# Altium PCB ir-24v-shit5-7-v2.PcbDoc (part 3 of 5) (continued)
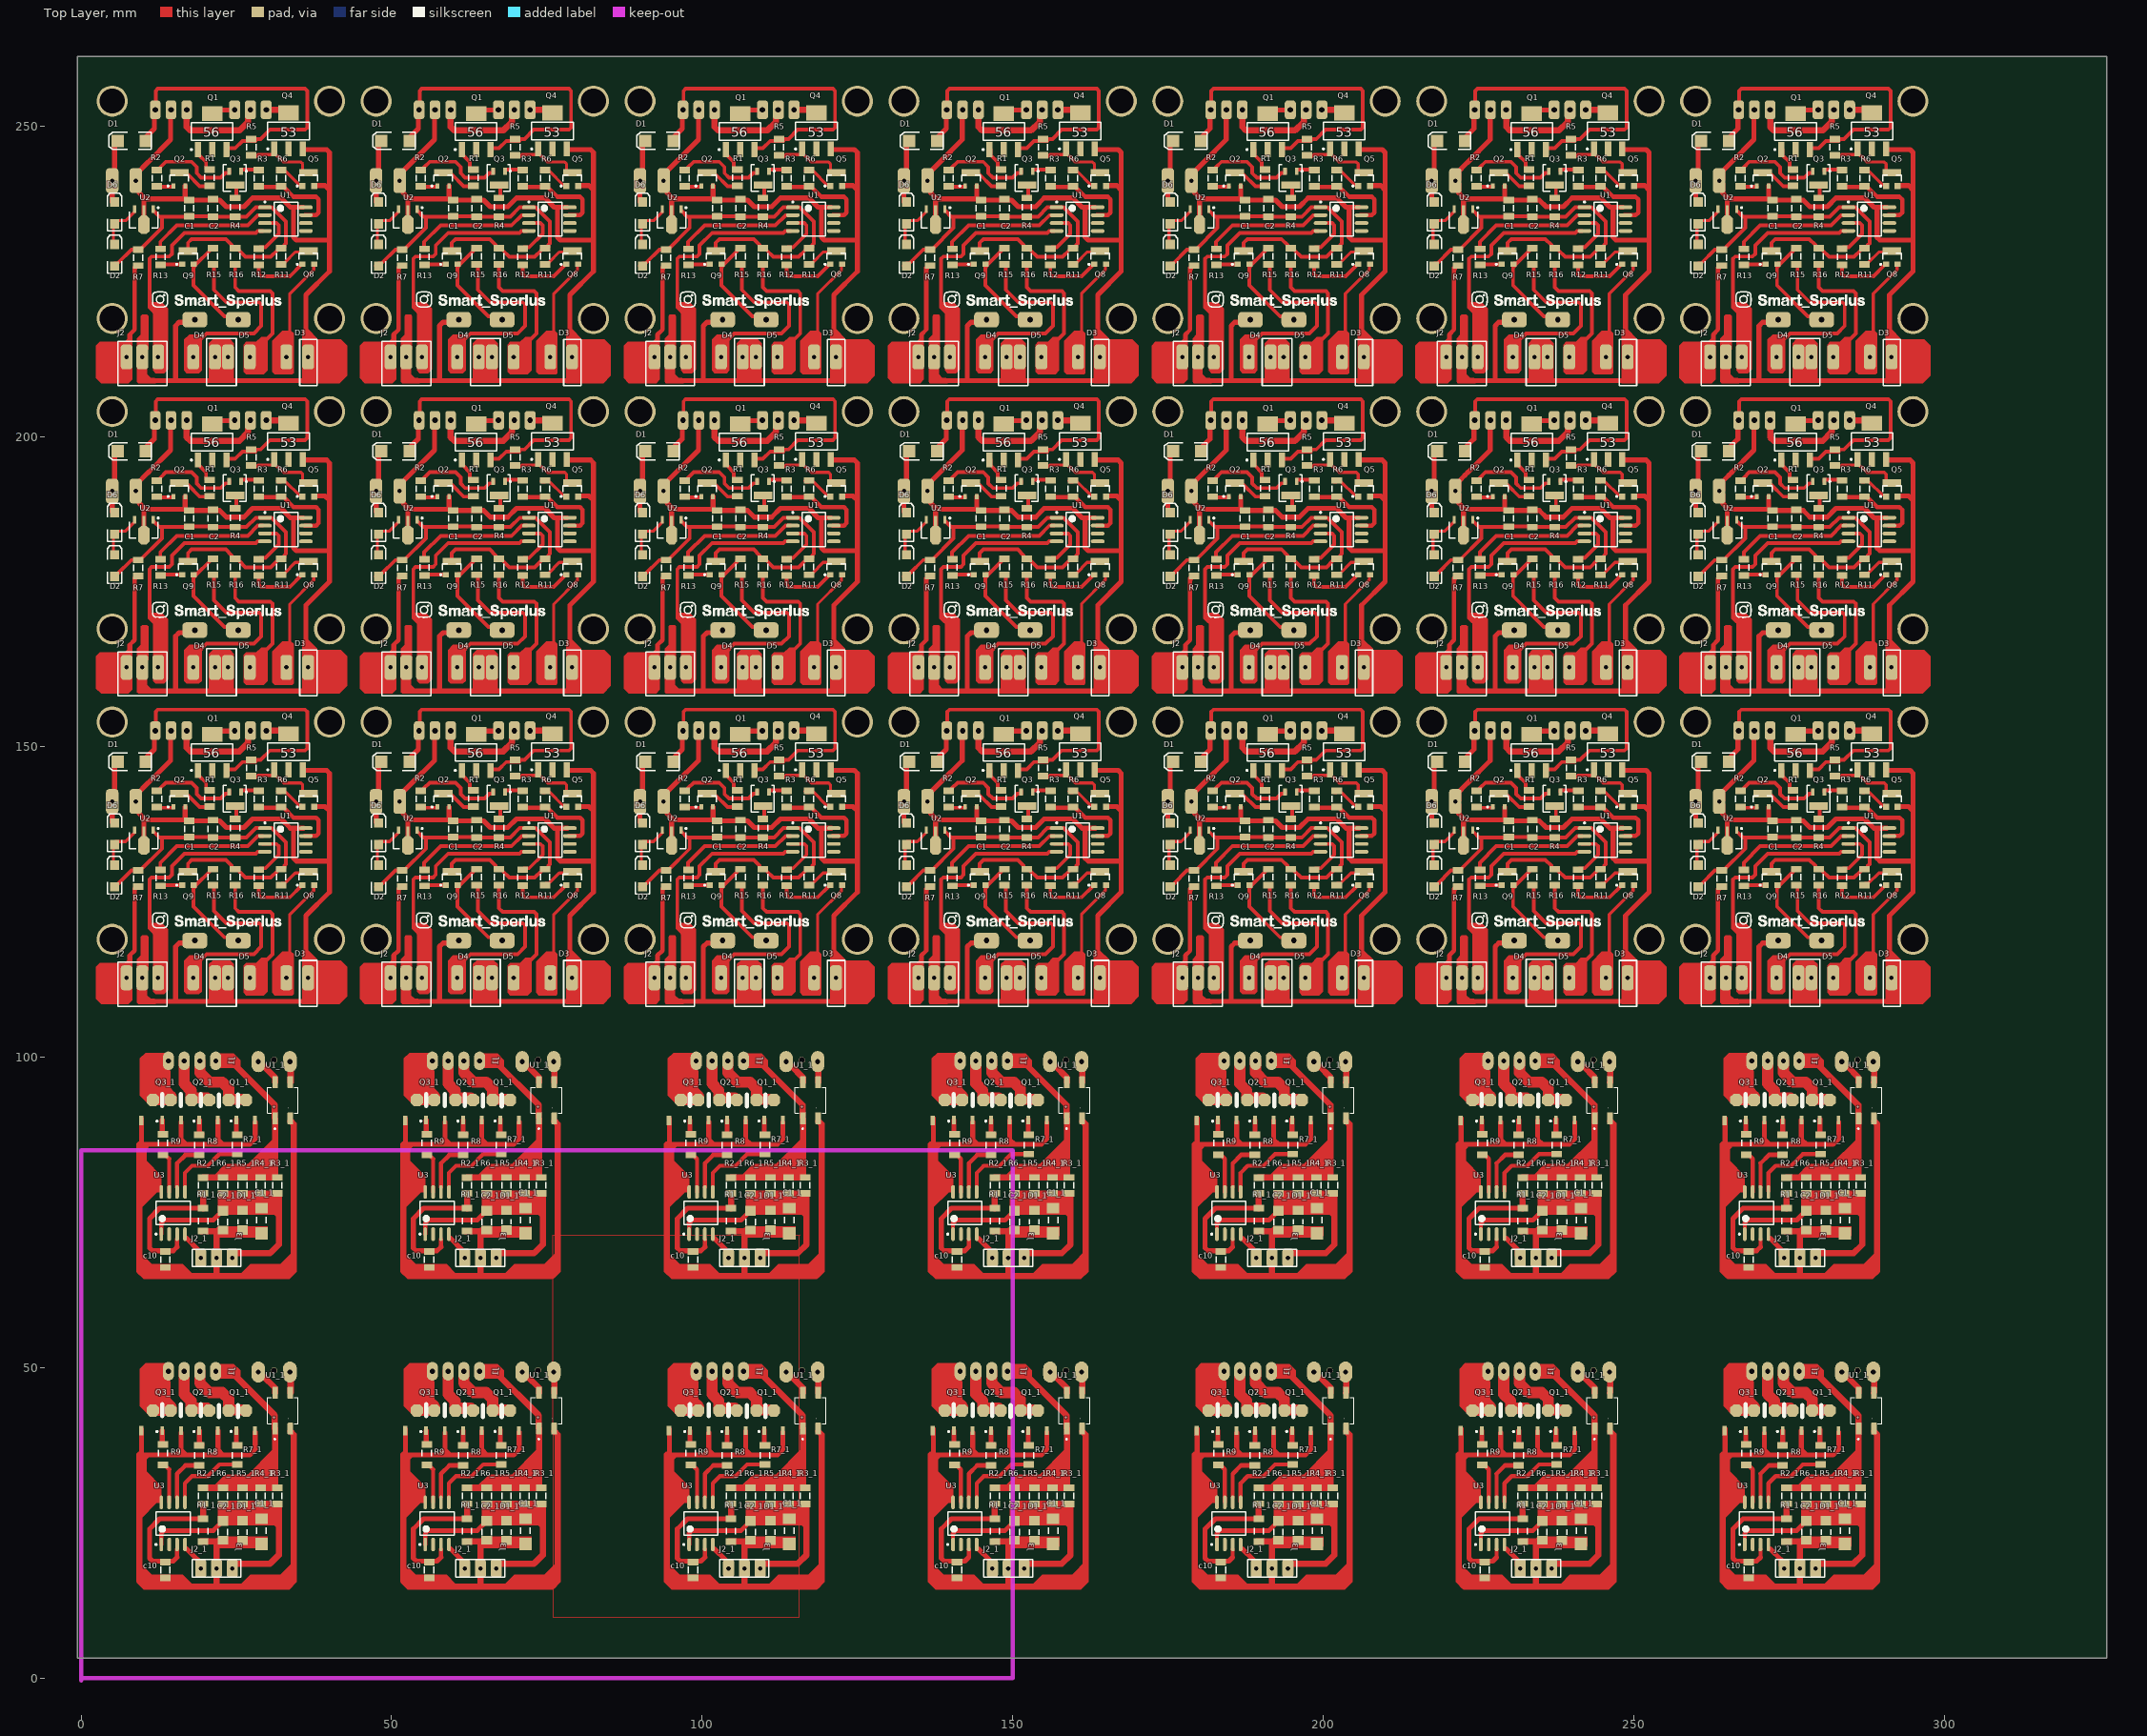
[diagram p0: Top Layer view]
## Nets (pads, with @x,y where several pads share a name; then routed paths per layer and width w, separated by ;. In a path a pad name is that pad's centre, name@x,y a point inside that pad or via, vN(x,y) a via of type N, cw(c..) or ccw(c..) an arc to the next point about the centre after c; other vN are vias at no path point) (continued)
155.9,133.095 156.7,133.095 ; 139.849,163.96 139.849,169.451 138.5,170.8 138.5,178.624 138.851,178.975 141.675,178.975 142.1,179.4 142.1,180.8 144.1,182.8 155.605,182.8 155.9,183.095 156.7,183.095 ; 139.849,213.96 139.849,219.451 138.5,220.8 138.5,228.624 138.851,228.975 141.675,228.975 142.1,229.4 142.1,230.8 144.1,232.8 155.605,232.8 155.9,233.095 156.7,233.095 ; 140.08,130.15 140.25,130.32 140.25,131.35 142.9,134 154.3,134 155.935,135.635 156.7,135.635 ; 140.08,180.15 140.25,180.32 140.25,181.35 142.9,184 154.3,184 155.935,185.635 156.7,185.635 ; 140.08,230.15 140.25,230.32 140.25,231.35 142.9,234 154.3,234 155.935,235.635 156.7,235.635 ; 140.1,142.97 140.25,143.12 140.25,143.35 141.138,144.238 145.262,144.238 146.1,143.4 146.1,142.4 146.824,141.676 149.976,141.676 150.75,142.45 151.35,142.45 151.35,142.888 ; 140.1,192.97 140.25,193.12 140.25,193.35 141.138,194.238 145.262,194.238 146.1,193.4 146.1,192.4 146.824,191.676 149.976,191.676 150.75,192.45 151.35,192.45 151.35,192.888 ; 140.1,242.97 140.25,243.12 140.25,243.35 141.138,244.238 145.262,244.238 146.1,243.4 146.1,242.4 146.824,241.676 149.976,241.676 150.75,242.45 151.35,242.45 151.35,242.888 ; 140.135,127.725 143.75,127.725 ; 140.135,177.725 143.75,177.725 ; 140.135,227.725 143.75,227.725 ; 142.9,142.475 143.2,142.175 144.725,142.175 146.595,140.305 147.3,140.305 ; 142.9,192.475 143.2,192.175 144.725,192.175 146.595,190.305 147.3,190.305 ; 142.9,242.475 143.2,242.175 144.725,242.175 146.595,240.305 147.3,240.305 ; 144.7,129.875 144.7,131.2 145.3,131.8 150.801,131.8 151.75,130.851 151.75,130.526 151.975,130.301 152.3,130.301 152.625,130.301 152.85,130.076 152.85,130.05 153.976,128.924 158.024,128.924 159.15,130.05 159.15,130.076 159.375,130.301 159.7,130.301 160.025,130.301 160.25,130.526 160.25,130.851 160.5,131.101 160.5,134.6 158.195,136.905 157.1,136.905 155.605,136.905 154.1,135.4 152.3,135.4 148.7,135.4 148.626,135.474 144.9,135.474 ; 144.7,179.875 144.7,181.2 145.3,181.8 150.801,181.8 151.75,180.851 151.75,180.526 151.975,180.301 152.3,180.301 152.625,180.301 152.85,180.076 152.85,180.05 153.976,178.924 158.024,178.924 159.15,180.05 159.15,180.076 159.375,180.301 159.7,180.301 160.025,180.301 160.25,180.526 160.25,180.851 160.5,181.101 160.5,184.6 158.195,186.905 157.1,186.905 155.605,186.905 154.1,185.4 152.3,185.4 148.7,185.4 148.626,185.474 144.9,185.474 ; 144.7,229.875 144.7,231.2 145.3,231.8 150.801,231.8 151.75,230.851 151.75,230.526 151.975,230.301 152.3,230.301 152.625,230.301 152.85,230.076 152.85,230.05 153.976,228.924 158.024,228.924 159.15,230.05 159.15,230.076 159.375,230.301 159.7,230.301 160.025,230.301 160.25,230.526 160.25,230.851 160.5,231.101 160.5,234.6 158.195,236.905 157.1,236.905 155.605,236.905 154.1,235.4 152.3,235.4 148.7,235.4 148.626,235.474 144.9,235.474 ; 144.9,135.4 140.5,135.4 ; 144.9,185.4 140.5,185.4 ; 144.9,235.4 140.5,235.4 ; 145.55,112.6 146.127,113.177 146.127,115.027 147.7,116.6 155.3,116.6 156.5,117.8 156.5,121.249 156.149,121.6 150.9,121.6 148.9,123.6 148.9,127.808 ; 145.55,162.6 146.127,163.177 146.127,165.027 147.7,166.6 155.3,166.6 156.5,167.8 156.5,171.249 156.149,171.6 150.9,171.6 148.9,173.6 148.9,177.808 ; 145.55,212.6 146.127,213.177 146.127,215.027 147.7,216.6 155.3,216.6 156.5,217.8 156.5,221.249 156.149,221.6 150.9,221.6 148.9,223.6 148.9,227.808 ; 145.65,127.725 145.775,127.85 146.15,127.85 148.15,129.85 148.15,130.076 148.375,130.301 148.7,130.301 ; 145.65,177.725 145.775,177.85 146.15,177.85 148.15,179.85 148.15,180.076 148.375,180.301 148.7,180.301 ; 145.65,227.725 145.775,227.85 146.15,227.85 148.15,229.85 148.15,230.076 148.375,230.301 148.7,230.301 ; 145.925,127.525 145.598,127.199 145.598,124.302 150.572,119.328 151.872,119.328 152.8,118.4 ; 145.925,177.525 145.598,177.199 145.598,174.302 150.572,169.328 151.872,169.328 152.8,168.4 ; 145.925,227.525 145.598,227.199 145.598,224.302 150.572,219.328 151.872,219.328 152.8,218.4 ; 146.5,146.237 146.5,145.3 147.618,144.182 147.618,143.107 147.9,142.825 ; 146.5,196.237 146.5,195.3 147.618,194.182 147.618,193.107 147.9,192.825 ; 146.5,246.237 146.5,245.3 147.618,244.182 147.618,243.107 147.9,242.825 ; 150.9,146.4 152.3,146.4 153.463,147.563 155.563,147.563 ; 150.9,196.4 152.3,196.4 153.463,197.563 155.563,197.563 ; 150.9,246.4 152.3,246.4 153.463,247.563 155.563,247.563 ; 152.3,127.705 152.3,124 152.9,123.4 157.949,123.4 158.3,123.049 158.3,116.6 155.947,114.247 154.664,114.247 154.217,113.8 ; 152.3,138.4 152.5,138.6 152.5,140.275 152.3,140.475 ; 152.3,177.705 152.3,174 152.9,173.4 157.949,173.4 158.3,173.049 158.3,166.6 155.947,164.247 154.664,164.247 154.217,163.8 ; 152.3,188.4 152.5,188.6 152.5,190.275 152.3,190.475 ; 152.3,227.705 152.3,224 152.9,223.4 157.949,223.4 158.3,223.049 158.3,216.6 155.947,214.247 154.664,214.247 154.217,213.8 ; 152.3,238.4 152.5,238.6 152.5,240.275 152.3,240.475 ; 153.25,142.725 153.25,143 155.874,143 ; 153.25,192.725 153.25,193 155.874,193 ; 153.25,242.725 153.25,243 155.874,243 ; 156.087,127.624 156.087,126.124 156.439,125.772 161.122,125.772 162.95,127.6 162.95,127.725 ; 156.087,130.22 156.312,130.445 157.145,130.445 159.3,132.6 159.3,134.014 158.949,134.365 156.7,134.365 ; 156.087,177.624 156.087,176.124 156.439,175.772 161.122,175.772 162.95,177.6 162.95,177.725 ; 156.087,180.22 156.312,180.445 157.145,180.445 159.3,182.6 159.3,184.014 158.949,184.365 156.7,184.365 ; 156.087,227.624 156.087,226.124 156.439,225.772 161.122,225.772 162.95,227.6 162.95,227.725 ; 156.087,230.22 156.312,230.445 157.145,230.445 159.3,232.6 159.3,234.014 158.949,234.365 156.7,234.365 ; 175,127.45 175.45,127.9 175.9,127.9 178.101,130.101 179.2,130.101 179.501,130.101 183,133.6 183,135.4 ; 175,177.45 175.45,177.9 175.9,177.9 178.101,180.101 179.2,180.101 179.501,180.101 183,183.6 183,185.4 ; 175,227.45 175.45,227.9 175.9,227.9 178.101,230.101 179.2,230.101 179.501,230.101 183,233.6 183,235.4 ; 181.717,136.283 182.6,135.4 183,135.4 ; 181.717,186.283 182.6,185.4 183,185.4 ; 181.717,236.283 182.6,235.4 183,235.4 ; 182,140.299 182.099,140.2 184.85,140.2 ; 182,152.585 182,155.649 182.351,156 206.049,156 206.4,155.649 206.4,149.751 206.049,149.4 200.4,149.4 198.901,147.901 197.4,147.901 ; 182,190.299 182.099,190.2 184.85,190.2 ; 182,202.585 182,205.649 182.351,206 206.049,206 206.4,205.649 206.4,199.751 206.049,199.4 200.4,199.4 198.901,197.901 197.4,197.901 ; 182,240.299 182.099,240.2 184.85,240.2 ; 182,252.585 182,255.649 182.351,256 206.049,256 206.4,255.649 206.4,249.751 206.049,249.4 200.4,249.4 198.901,247.901 197.4,247.901 ; 182.349,113.96 182.349,119.451 181,120.8 181,128.624 181.351,128.975 184.175,128.975 184.6,129.4 184.6,130.8 186.6,132.8 198.105,132.8 198.4,133.095 199.2,133.095 ; 182.349,163.96 182.349,169.451 181,170.8 181,178.624 181.351,178.975 184.175,178.975 184.6,179.4 184.6,180.8 186.6,182.8 198.105,182.8 198.4,183.095 199.2,183.095 ; 182.349,213.96 182.349,219.451 181,220.8 181,228.624 181.351,228.975 184.175,228.975 184.6,229.4 184.6,230.8 186.6,232.8 198.105,232.8 198.4,233.095 199.2,233.095 ; 182.58,130.15 182.75,130.32 182.75,131.35 185.4,134 196.8,134 198.435,135.635 199.2,135.635 ; 182.58,180.15 182.75,180.32 182.75,181.35 185.4,184 196.8,184 198.435,185.635 199.2,185.635 ; 182.58,230.15 182.75,230.32 182.75,231.35 185.4,234 196.8,234 198.435,235.635 199.2,235.635 ; 182.6,142.97 182.75,143.12 182.75,143.35 183.638,144.238 187.762,144.238 188.6,143.4 188.6,142.4 189.324,141.676 192.476,141.676 193.25,142.45 193.85,142.45 193.85,142.888 ; 182.6,192.97 182.75,193.12 182.75,193.35 183.638,194.238 187.762,194.238 188.6,193.4 188.6,192.4 189.324,191.676 192.476,191.676 193.25,192.45 193.85,192.45 193.85,192.888 ; 182.6,242.97 182.75,243.12 182.75,243.35 183.638,244.238 187.762,244.238 188.6,243.4 188.6,242.4 189.324,241.676 192.476,241.676 193.25,242.45 193.85,242.45 193.85,242.888 ; 182.635,127.725 186.25,127.725 ; 182.635,177.725 186.25,177.725 ; 182.635,227.725 186.25,227.725 ; 185.4,142.475 185.7,142.175 187.225,142.175 189.095,140.305 189.8,140.305 ; 185.4,192.475 185.7,192.175 187.225,192.175 189.095,190.305 189.8,190.305 ; 185.4,242.475 185.7,242.175 187.225,242.175 189.095,240.305 189.8,240.305 ; 187.2,129.875 187.2,131.2 187.8,131.8 193.301,131.8 194.25,130.851 194.25,130.526 194.475,130.301 194.8,130.301 195.125,130.301 195.35,130.076 195.35,130.05 196.476,128.924 200.524,128.924 201.65,130.05 201.65,130.076 201.875,130.301 202.2,130.301 202.525,130.301 202.75,130.526 202.75,130.851 203,131.101 203,134.6 200.695,136.905 199.6,136.905 198.105,136.905 196.6,135.4 194.8,135.4 191.2,135.4 191.126,135.474 187.4,135.474 ; 187.2,179.875 187.2,181.2 187.8,181.8 193.301,181.8 194.25,180.851 194.25,180.526 194.475,180.301 194.8,180.301 195.125,180.301 195.35,180.076 195.35,180.05 196.476,178.924 200.524,178.924 201.65,180.05 201.65,180.076 201.875,180.301 202.2,180.301 202.525,180.301 202.75,180.526 202.75,180.851 203,181.101 203,184.6 200.695,186.905 199.6,186.905 198.105,186.905 196.6,185.4 194.8,185.4 191.2,185.4 191.126,185.474 187.4,185.474 ; 187.2,229.875 187.2,231.2 187.8,231.8 193.301,231.8 194.25,230.851 194.25,230.526 194.475,230.301 194.8,230.301 195.125,230.301 195.35,230.076 195.35,230.05 196.476,228.924 200.524,228.924 201.65,230.05 201.65,230.076 201.875,230.301 202.2,230.301 202.525,230.301 202.75,230.526 202.75,230.851 203,231.101 203,234.6 200.695,236.905 199.6,236.905 198.105,236.905 196.6,235.4 194.8,235.4 191.2,235.4 191.126,235.474 187.4,235.474 ; 187.4,135.4 183,135.4 ; 187.4,185.4 183,185.4 ; 187.4,235.4 183,235.4 ; 188.05,112.6 188.627,113.177 188.627,115.027 190.2,116.6 197.8,116.6 199,117.8 199,121.249 198.649,121.6 193.4,121.6 191.4,123.6 191.4,127.808 ; 188.05,162.6 188.627,163.177 188.627,165.027 190.2,166.6 197.8,166.6 199,167.8 199,171.249 198.649,171.6 193.4,171.6 191.4,173.6 191.4,177.808 ; 188.05,212.6 188.627,213.177 188.627,215.027 190.2,216.6 197.8,216.6 199,217.8 199,221.249 198.649,221.6 193.4,221.6 191.4,223.6 191.4,227.808 ; 188.15,127.725 188.275,127.85 188.65,127.85 190.65,129.85 190.65,130.076 190.875,130.301 191.2,130.301 ; 188.15,177.725 188.275,177.85 188.65,177.85 190.65,179.85 190.65,180.076 190.875,180.301 191.2,180.301 ; 188.15,227.725 188.275,227.85 188.65,227.85 190.65,229.85 190.65,230.076 190.875,230.301 191.2,230.301 ; 188.425,127.525 188.098,127.199 188.098,124.302 193.072,119.328 194.372,119.328 195.3,118.4 ; 188.425,177.525 188.098,177.199 188.098,174.302 193.072,169.328 194.372,169.328 195.3,168.4 ; 188.425,227.525 188.098,227.199 188.098,224.302 193.072,219.328 194.372,219.328 195.3,218.4 ; 189,146.237 189,145.3 190.118,144.182 190.118,143.107 190.4,142.825 ; 189,196.237 189,195.3 190.118,194.182 190.118,193.107 190.4,192.825 ; 189,246.237 189,245.3 190.118,244.182 190.118,243.107 190.4,242.825 ; 193.4,146.4 194.8,146.4 195.963,147.563 198.062,147.563 ; 193.4,196.4 194.8,196.4 195.963,197.563 198.062,197.563 ; 193.4,246.4 194.8,246.4 195.963,247.563 198.062,247.563 ; 194.8,127.705 194.8,124 195.4,123.4 200.449,123.4 200.8,123.049 200.8,116.6 198.447,114.247 197.164,114.247 196.717,113.8 ; 194.8,138.4 195,138.6 195,140.275 194.8,140.475 ; 194.8,177.705 194.8,174 195.4,173.4 200.449,173.4 200.8,173.049 200.8,166.6 198.447,164.247 197.164,164.247 196.717,163.8 ; 194.8,188.4 195,188.6 195,190.275 194.8,190.475 ; 194.8,227.705 194.8,224 195.4,223.4 200.449,223.4 200.8,223.049 200.8,216.6 198.447,214.247 197.164,214.247 196.717,213.8 ; 194.8,238.4 195,238.6 195,240.275 194.8,240.475 ; 195.75,142.725 195.75,143 198.374,143 ; 195.75,192.725 195.75,193 198.374,193 ; 195.75,242.725 195.75,243 198.374,243 ; 198.587,127.624 198.587,126.124 198.939,125.772 203.622,125.772 205.45,127.6 205.45,127.725 ; 198.587,130.22 198.812,130.445 199.645,130.445 201.8,132.6 201.8,134.014 201.449,134.365 199.2,134.365 ; 198.587,177.624 198.587,176.124 198.939,175.772 203.622,175.772 205.45,177.6 205.45,177.725 ; 198.587,180.22 198.812,180.445 199.645,180.445 201.8,182.6 201.8,184.014 201.449,184.365 199.2,184.365 ; 198.587,227.624 198.587,226.124 198.939,225.772 203.622,225.772 205.45,227.6 205.45,227.725 ; 198.587,230.22 198.812,230.445 199.645,230.445 201.8,232.6 201.8,234.014 201.449,234.365 199.2,234.365 ; 217.5,127.45 217.95,127.9 218.4,127.9 220.601,130.101 221.7,130.101 222.001,130.101 225.5,133.6 225.5,135.4 ; 217.5,177.45 217.95,177.9 218.4,177.9 220.601,180.101 221.7,180.101 222.001,180.101 225.5,183.6 225.5,185.4 ; 217.5,227.45 217.95,227.9 218.4,227.9 220.601,230.101 221.7,230.101 222.001,230.101 225.5,233.6 225.5,235.4 ; 224.217,136.283 225.1,135.4 225.5,135.4 ; 224.217,186.283 225.1,185.4 225.5,185.4 ; 224.217,236.283 225.1,235.4 225.5,235.4 ; 224.5,140.299 224.599,140.2 227.35,140.2 ; 224.5,152.585 224.5,155.649 224.851,156 248.549,156 248.9,155.649 248.9,149.751 248.549,149.4 242.9,149.4 241.401,147.901 239.9,147.901 ; 224.5,190.299 224.599,190.2 227.35,190.2 ; 224.5,202.585 224.5,205.649 224.851,206 248.549,206 248.9,205.649 248.9,199.751 248.549,199.4 242.9,199.4 241.401,197.901 239.9,197.901 ; 224.5,240.299 224.599,240.2 227.35,240.2 ; 224.5,252.585 224.5,255.649 224.851,256 248.549,256 248.9,255.649 248.9,249.751 248.549,249.4 242.9,249.4 241.401,247.901 239.9,247.901 ; 224.849,113.96 224.849,119.451 223.5,120.8 223.5,128.624 223.851,128.975 226.675,128.975 227.1,129.4 227.1,130.8 229.1,132.8 240.605,132.8 240.9,133.095 241.7,133.095 ; 224.849,163.96 224.849,169.451 223.5,170.8 223.5,178.624 223.851,178.975 226.675,178.975 227.1,179.4 227.1,180.8 229.1,182.8 240.605,182.8 240.9,183.095 241.7,183.095 ; 224.849,213.96 224.849,219.451 223.5,220.8 223.5,228.624 223.851,228.975 226.675,228.975 227.1,229.4 227.1,230.8 229.1,232.8 240.605,232.8 240.9,233.095 241.7,233.095 ; 225.08,130.15 225.25,130.32 225.25,131.35 227.9,134 239.3,134 240.935,135.635 241.7,135.635 ; 225.08,180.15 225.25,180.32 225.25,181.35 227.9,184 239.3,184 240.935,185.635 241.7,185.635 ; 225.08,230.15 225.25,230.32 225.25,231.35 227.9,234 239.3,234 240.935,235.635 241.7,235.635 ; 225.1,142.97 225.25,143.12 225.25,143.35 226.138,144.238 230.262,144.238 231.1,143.4 231.1,142.4 231.824,141.676 234.976,141.676 235.75,142.45 236.35,142.45 236.35,142.888 ; 225.1,192.97 225.25,193.12 225.25,193.35 226.138,194.238 230.262,194.238 231.1,193.4 231.1,192.4 231.824,191.676 234.976,191.676 235.75,192.45 236.35,192.45 236.35,192.888 ; 225.1,242.97 225.25,243.12 225.25,243.35 226.138,244.238 230.262,244.238 231.1,243.4 231.1,242.4 231.824,241.676 234.976,241.676 235.75,242.45 236.35,242.45 236.35,242.888 ; 225.135,127.725 228.75,127.725 ; 225.135,177.725 228.75,177.725 ; 225.135,227.725 228.75,227.725 ; 227.9,142.475 228.2,142.175 229.725,142.175 231.595,140.305 232.3,140.305 ; 227.9,192.475 228.2,192.175 229.725,192.175 231.595,190.305 232.3,190.305 ; 227.9,242.475 228.2,242.175 229.725,242.175 231.595,240.305 232.3,240.305 ; 229.7,129.875 229.7,131.2 230.3,131.8 235.801,131.8 236.75,130.851 236.75,130.526 236.975,130.301 237.3,130.301 237.625,130.301 237.85,130.076 237.85,130.05 238.976,128.924 243.024,128.924 244.15,130.05 244.15,130.076 244.375,130.301 244.7,130.301 245.025,130.301 245.25,130.526 245.25,130.851 245.5,131.101 245.5,134.6 243.195,136.905 242.1,136.905 240.605,136.905 239.1,135.4 237.3,135.4 233.7,135.4 233.626,135.474 229.9,135.474 ; 229.7,179.875 229.7,181.2 230.3,181.8 235.801,181.8 236.75,180.851 236.75,180.526 236.975,180.301 237.3,180.301 237.625,180.301 237.85,180.076 237.85,180.05 238.976,178.924 243.024,178.924 244.15,180.05 244.15,180.076 244.375,180.301 244.7,180.301 245.025,180.301 245.25,180.526 245.25,180.851 245.5,181.101 245.5,184.6 243.195,186.905 242.1,186.905 240.605,186.905 239.1,185.4 237.3,185.4 233.7,185.4 233.626,185.474 229.9,185.474 ; 229.7,229.875 229.7,231.2 230.3,231.8 235.801,231.8 236.75,230.851 236.75,230.526 236.975,230.301 237.3,230.301 237.625,230.301 237.85,230.076 237.85,230.05 238.976,228.924 243.024,228.924 244.15,230.05 244.15,230.076 244.375,230.301 244.7,230.301 245.025,230.301 245.25,230.526 245.25,230.851 245.5,231.101 245.5,234.6 243.195,236.905 242.1,236.905 240.605,236.905 239.1,235.4 237.3,235.4 233.7,235.4 233.626,235.474 229.9,235.474 ; 229.9,135.4 225.5,135.4 ; 229.9,185.4 225.5,185.4 ; 229.9,235.4 225.5,235.4 ; 230.55,112.6 231.127,113.177 231.127,115.027 232.7,116.6 240.3,116.6 241.5,117.8 241.5,121.249 241.149,121.6 235.9,121.6 233.9,123.6 233.9,127.808 ; 230.55,162.6 231.127,163.177 231.127,165.027 232.7,166.6 240.3,166.6 241.5,167.8 241.5,171.249 241.149,171.6 235.9,171.6 233.9,173.6 233.9,177.808 ; 230.55,212.6 231.127,213.177 231.127,215.027 232.7,216.6 240.3,216.6 241.5,217.8 241.5,221.249 241.149,221.6 235.9,221.6 233.9,223.6 233.9,227.808 ; 230.65,127.725 230.775,127.85 231.15,127.85 233.15,129.85 233.15,130.076 233.375,130.301 233.7,130.301 ; 230.65,177.725 230.775,177.85 231.15,177.85 233.15,179.85 233.15,180.076 233.375,180.301 233.7,180.301 ; 230.65,227.725 230.775,227.85 231.15,227.85 233.15,229.85 233.15,230.076 233.375,230.301 233.7,230.301 ; 230.925,127.525 230.598,127.199 230.598,124.302 235.572,119.328 236.872,119.328 237.8,118.4 ; 230.925,177.525 230.598,177.199 230.598,174.302 235.572,169.328 236.872,169.328 237.8,168.4 ; 230.925,227.525 230.598,227.199 230.598,224.302 235.572,219.328 236.872,219.328 237.8,218.4 ; 231.5,146.237 231.5,145.3 232.618,144.182 232.618,143.107 232.9,142.825 ; 231.5,196.237 231.5,195.3 232.618,194.182 232.618,193.107 232.9,192.825 ; 231.5,246.237 231.5,245.3 232.618,244.182 232.618,243.107 232.9,242.825 ; 235.9,146.4 237.3,146.4 238.463,147.563 240.562,147.563 ; 235.9,196.4 237.3,196.4 238.463,197.563 240.562,197.563 ; 235.9,246.4 237.3,246.4 238.463,247.563 240.562,247.563 ; 237.3,127.705 237.3,124 237.9,123.4 242.949,123.4 243.3,123.049 243.3,116.6 240.947,114.247 239.664,114.247 239.217,113.8 ; 237.3,138.4 237.5,138.6 237.5,140.275 237.3,140.475 ; 237.3,177.705 237.3,174 237.9,173.4 242.949,173.4 243.3,173.049 243.3,166.6 240.947,164.247 239.664,164.247 239.217,163.8 ; 237.3,188.4 237.5,188.6 237.5,190.275 237.3,190.475 ; 237.3,227.705 237.3,224 237.9,223.4 242.949,223.4 243.3,223.049 243.3,216.6 240.947,214.247 239.664,214.247 239.217,213.8 ; 237.3,238.4 237.5,238.6 237.5,240.275 237.3,240.475 ; 238.25,142.725 238.25,143 240.874,143 ; 238.25,192.725 238.25,193 240.874,193 ; 238.25,242.725 238.25,243 240.874,243 ; 241.087,127.624 241.087,126.124 241.439,125.772 246.122,125.772 247.95,127.6 247.95,127.725 ; 241.087,130.22 241.312,130.445 242.145,130.445 244.3,132.6 244.3,134.014 243.949,134.365 241.7,134.365 ; 241.087,177.624 241.087,176.124 241.439,175.772 246.122,175.772 247.95,177.6 247.95,177.725 ; 241.087,180.22 241.312,180.445 242.145,180.445 244.3,182.6 244.3,184.014 243.949,184.365 241.7,184.365 ; 241.087,227.624 241.087,226.124 241.439,225.772 246.122,225.772 247.95,227.6 247.95,227.725 ; 241.087,230.22 241.312,230.445 242.145,230.445 244.3,232.6 244.3,234.014 243.949,234.365 241.7,234.365 ; 260,127.45 260.45,127.9 260.9,127.9 263.101,130.101 264.2,130.101 264.501,130.101 268,133.6 268,135.4 ; 260,177.45 260.45,177.9 260.9,177.9 263.101,180.101 264.2,180.101 264.501,180.101 268,183.6 268,185.4 ; 260,227.45 260.45,227.9 260.9,227.9 263.101,230.101 264.2,230.101 264.501,230.101 268,233.6 268,235.4 ; 266.717,136.283 267.6,135.4 268,135.4 ; 266.717,186.283 267.6,185.4 268,185.4 ; 266.717,236.283 267.6,235.4 268,235.4 ; 267,140.299 267.099,140.2 269.85,140.2 ; 267,152.585 267,155.649 267.351,156 291.049,156 291.4,155.649 291.4,149.751 291.049,149.4 285.4,149.4 283.901,147.901 282.4,147.901 ; 267,190.299 267.099,190.2 269.85,190.2 ; 267,202.585 267,205.649 267.351,206 291.049,206 291.4,205.649 291.4,199.751 291.049,199.4 285.4,199.4 283.901,197.901 282.4,197.901 ; 267,240.299 267.099,240.2 269.85,240.2 ; 267,252.585 267,255.649 267.351,256 291.049,256 291.4,255.649 291.4,249.751 291.049,249.4 285.4,249.4 283.901,247.901 282.4,247.901 ; 267.349,113.96 267.349,119.451 266,120.8 266,128.624 266.351,128.975 269.175,128.975 269.6,129.4 269.6,130.8 271.6,132.8 283.105,132.8 283.4,133.095 284.2,133.095 ; 267.349,163.96 267.349,169.451 266,170.8 266,178.624 266.351,178.975 269.175,178.975 269.6,179.4 269.6,180.8 271.6,182.8 283.105,182.8 283.4,183.095 284.2,183.095 ; 267.349,213.96 267.349,219.451 266,220.8 266,228.624 266.351,228.975 269.175,228.975 269.6,229.4 269.6,230.8 271.6,232.8 283.105,232.8 283.4,233.095 284.2,233.095 ; 267.58,130.15 267.75,130.32 267.75,131.35 270.4,134 281.8,134 283.435,135.635 284.2,135.635 ; 267.58,180.15 267.75,180.32 267.75,181.35 270.4,184 281.8,184 283.435,185.635 284.2,185.635 ; 267.58,230.15 267.75,230.32 267.75,231.35 270.4,234 281.8,234 283.435,235.635 284.2,235.635 ; 267.6,142.97 267.75,143.12 267.75,143.35 268.638,144.238 272.762,144.238 273.6,143.4 273.6,142.4 274.324,141.676 277.476,141.676 278.25,142.45 278.85,142.45 278.85,142.888 ; 267.6,192.97 267.75,193.12 267.75,193.35 268.638,194.238 272.762,194.238 273.6,193.4 273.6,192.4 274.324,191.676 277.476,191.676 278.25,192.45 278.85,192.45 278.85,192.888 ; 267.6,242.97 267.75,243.12 267.75,243.35 268.638,244.238 272.762,244.238 273.6,243.4 273.6,242.4 274.324,241.676 277.476,241.676 278.25,242.45 278.85,242.45 278.85,242.888 ; 267.635,127.725 271.25,127.725 ; 267.635,177.725 271.25,177.725 ; 267.635,227.725 271.25,227.725 ; 270.4,142.475 270.7,142.175 272.225,142.175 274.095,140.305 274.8,140.305 ; 270.4,192.475 270.7,192.175 272.225,192.175 274.095,190.305 274.8,190.305 ; 270.4,242.475 270.7,242.175 272.225,242.175 274.095,240.305 274.8,240.305 ; 272.2,129.875 272.2,131.2 272.8,131.8 278.301,131.8 279.25,130.851 279.25,130.526 279.475,130.301 279.8,130.301 280.125,130.301 280.35,130.076 280.35,130.05 281.476,128.924 285.524,128.924 286.65,130.05 286.65,130.076 286.875,130.301 287.2,130.301 287.525,130.301 287.75,130.526 287.75,130.851 288,131.101 288,134.6 285.695,136.905 284.6,136.905 283.105,136.905 281.6,135.4 279.8,135.4 276.2,135.4 276.126,135.474 272.4,135.474 ; 272.2,179.875 272.2,181.2 272.8,181.8 278.301,181.8 279.25,180.851 279.25,180.526 279.475,180.301 279.8,180.301 280.125,180.301 280.35,180.076 280.35,180.05 281.476,178.924 285.524,178.924 286.65,180.05 286.65,180.076 286.875,180.301 287.2,180.301 287.525,180.301 287.75,180.526 287.75,180.851 288,181.101 288,184.6 285.695,186.905 284.6,186.905 283.105,186.905 281.6,185.4 279.8,185.4 276.2,185.4 276.126,185.474 272.4,185.474 ; 272.2,229.875 272.2,231.2 272.8,231.8 278.301,231.8 279.25,230.851 279.25,230.526 279.475,230.301 279.8,230.301 280.125,230.301 280.35,230.076 280.35,230.05 281.476,228.924 285.524,228.924 286.65,230.05 286.65,230.076 286.875,230.301 287.2,230.301 287.525,230.301 287.75,230.526 287.75,230.851 288,231.101 288,234.6 285.695,236.905 284.6,236.905 283.105,236.905 281.6,235.4 279.8,235.4 276.2,235.4 276.126,235.474 272.4,235.474 ; 272.4,135.4 268,135.4 ; 272.4,185.4 268,185.4 ; 272.4,235.4 268,235.4 ; 273.05,112.6 273.627,113.177 273.627,115.027 275.2,116.6 282.8,116.6 284,117.8 284,121.249 283.649,121.6 278.4,121.6 276.4,123.6 276.4,127.808 ; 273.05,162.6 273.627,163.177 273.627,165.027 275.2,166.6 282.8,166.6 284,167.8 284,171.249 283.649,171.6 278.4,171.6 276.4,173.6 276.4,177.808 ; 273.05,212.6 273.627,213.177 273.627,215.027 275.2,216.6 282.8,216.6 284,217.8 284,221.249 283.649,221.6 278.4,221.6 276.4,223.6 276.4,227.808 ; 273.15,127.725 273.275,127.85 273.65,127.85 275.65,129.85 275.65,130.076 275.875,130.301 276.2,130.301 ; 273.15,177.725 273.275,177.85 273.65,177.85 275.65,179.85 275.65,180.076 275.875,180.301 276.2,180.301 ; 273.15,227.725 273.275,227.85 273.65,227.85 275.65,229.85 275.65,230.076 275.875,230.301 276.2,230.301 ; 273.425,127.525 273.098,127.199 273.098,124.302 278.072,119.328 279.372,119.328 280.3,118.4 ; 273.425,177.525 273.098,177.199 273.098,174.302 278.072,169.328 279.372,169.328 280.3,168.4 ; 273.425,227.525 273.098,227.199 273.098,224.302 278.072,219.328 279.372,219.328 280.3,218.4 ; 274,146.237 274,145.3 275.118,144.182 275.118,143.107 275.4,142.825 ; 274,196.237 274,195.3 275.118,194.182 275.118,193.107 275.4,192.825 ; 274,246.237 274,245.3 275.118,244.182 275.118,243.107 275.4,242.825 ; 278.4,146.4 279.8,146.4 280.963,147.563 283.063,147.563 ; 278.4,196.4 279.8,196.4 280.963,197.563 283.063,197.563 ; 278.4,246.4 279.8,246.4 280.963,247.563 283.063,247.563 ; 279.8,127.705 279.8,124 280.4,123.4 285.449,123.4 285.8,123.049 285.8,116.6 283.447,114.247 282.164,114.247 281.717,113.8 ; 279.8,138.4 280,138.6 280,140.275 279.8,140.475 ; 279.8,177.705 279.8,174 280.4,173.4 285.449,173.4 285.8,173.049 285.8,166.6 283.447,164.247 282.164,164.247 281.717,163.8 ; 279.8,188.4 280,188.6 280,190.275 279.8,190.475 ; 279.8,227.705 279.8,224 280.4,223.4 285.449,223.4 285.8,223.049 285.8,216.6 283.447,214.247 282.164,214.247 281.717,213.8 ; 279.8,238.4 280,238.6 280,240.275 279.8,240.475 ; 280.75,142.725 280.75,143 283.374,143 ; 280.75,192.725 280.75,193 283.374,193 ; 280.75,242.725 280.75,243 283.374,243 ; 283.587,127.624 283.587,126.124 283.939,125.772 288.622,125.772 290.45,127.6 290.45,127.725 ; 283.587,130.22 283.812,130.445 284.645,130.445 286.8,132.6 286.8,134.014 286.449,134.365 284.2,134.365 ; 283.587,177.624 283.587,176.124 283.939,175.772 288.622,175.772 290.45,177.6 290.45,177.725 ; 283.587,180.22 283.812,180.445 284.645,180.445 286.8,182.6 286.8,184.014 286.449,184.365 284.2,184.365 ; 283.587,227.624 283.587,226.124 283.939,225.772 288.622,225.772 290.45,227.6 290.45,227.725 ; 283.587,230.22 283.812,230.445 284.645,230.445 286.8,232.6 286.8,234.014 286.449,234.365 284.2,234.365